# KiCad board VLT.kicad_pcb (continued)
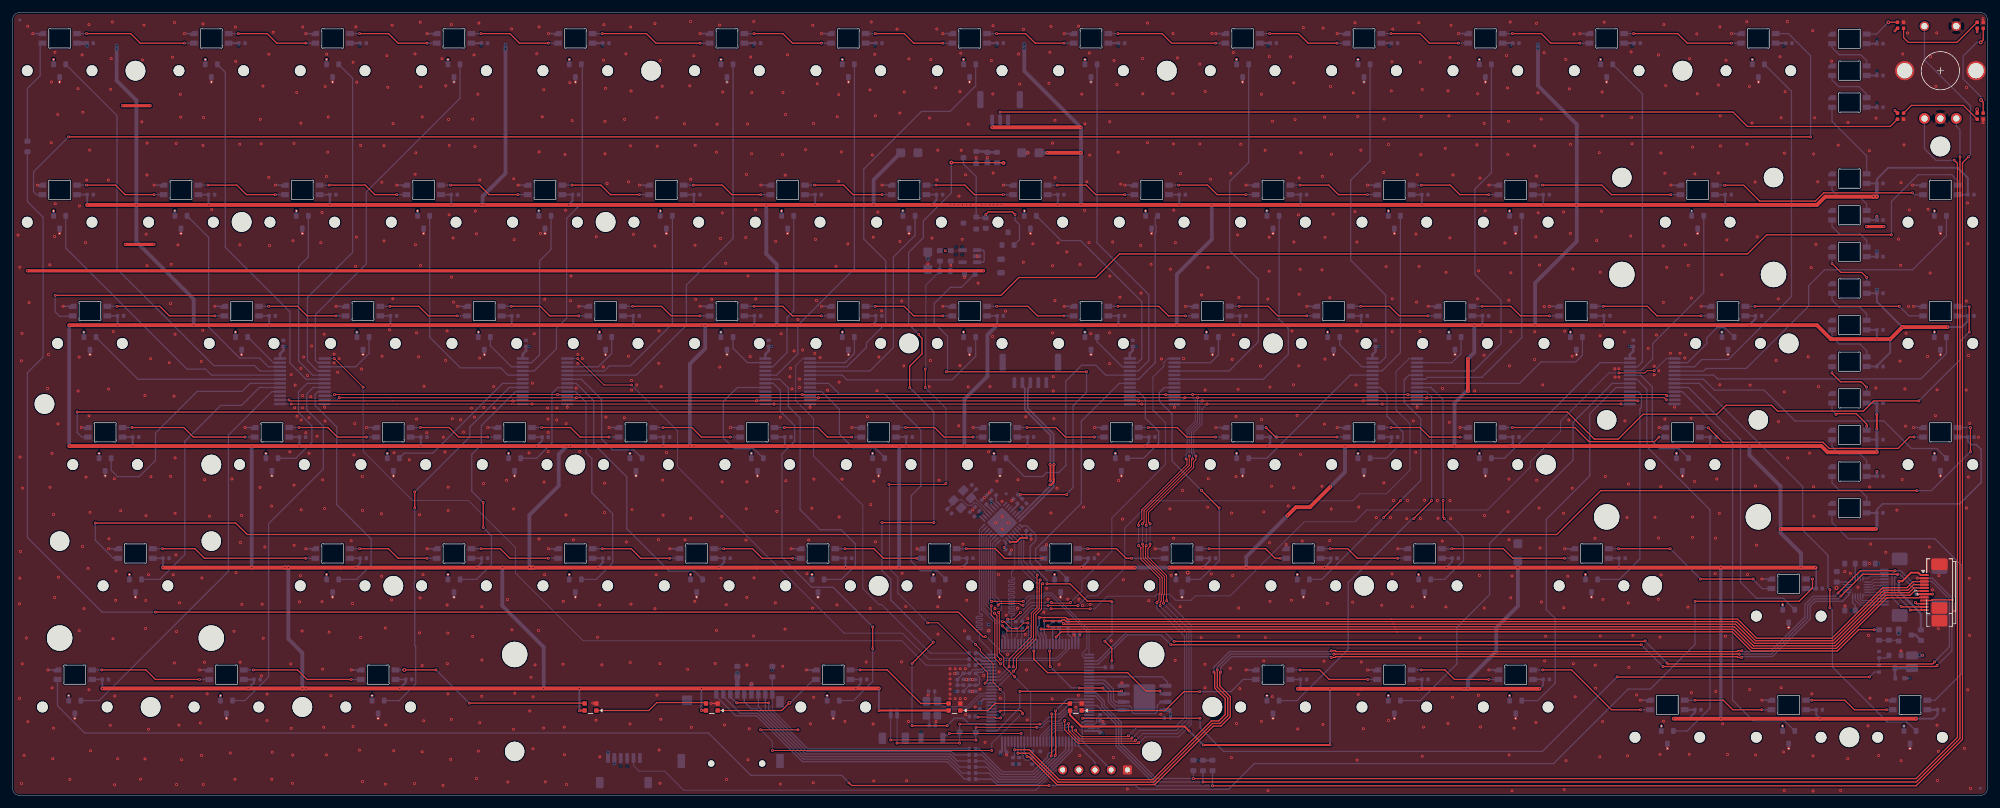
[diagram p0: board, top side]
## Placement (name value [footprint] x y rotation side) (continued)
U5  USB3300-EZK  [QFN-32-1EP_5x5mm_P0.5mm_EP3.45x3.45mm]  155.33 42.84 225 bottom
U6  W25Q32JVZP  [WSON-8-1EP_6x5mm_P1.27mm_EP3.4x4.3mm]  177.69 15.31 0 bottom
U7  ~  [XUNPU_FPC-05F-12PH20_1x12-1MP_P0.5mm]  301.21 31.86 90 top
Y1  24MHz  [Crystal_SMD_3225-4Pin_3.2x2.5mm]  149.06 46.54 45 bottom
Y2  25MHz  [Crystal_SMD_3225-4Pin_3.2x2.5mm]  144.31 13.69 90 bottom

## Library data of the parts
AMB1-AMB10 GLO1-GLO3 LED1-LED81 = -: Description: Reverse mount adressable LED (WS2812 protocol); LCSC: C5149201
C1-C3 C6-C12 C15-C17 C27-C29 C31 C32 = -: Description: Unpolarized capacitor, small symbol; LCSC: C14663; ki_fp_filters: C_*
C4 C5 C18 C21 C22 = -: Description: Unpolarized capacitor, small symbol; ki_fp_filters: C_*
C13 C14 = -: Description: Unpolarized capacitor, small symbol; LCSC: C19702; ki_fp_filters: C_*
C19 C20 C33-C36 = -: Description: Unpolarized capacitor, small symbol; Manufacturer Part: CL05B104KO5NNNC; Manufacturer: SAMSUNG(三星); Supplier Part: C1525; Supplier: LCSC; LCSC Part Name: 100nF ±10% 16V; LCSC: C1525; ki_fp_filters: C_*
C23 C23#2 C24 C30 = -: Description: Polarized capacitor, small symbol; ki_fp_filters: CP_*
C25 C26 = -: Description: Unpolarized capacitor, small symbol; LCSC: C23733; ki_fp_filters: C_*
CA1-CA10 CG1-CG3 CL1-CL81 MC1-MC6 = -: Description: Unpolarized capacitor, small symbol; LCSC: C1525; ki_fp_filters: C_*
D1 = -: Datasheet: https://www.diodes.com/assets/Datasheets/ds30396.pdf; Description: 75V 0.15A Fast switching Diode, SOD-523; Sim.Device: D; Sim.Pins: 1=K 2=A; ki_fp_filters: D*SOD?523*
ENC1 = -: Description: Rotary encoder, dual channel, incremental quadrate outputs, with switch and MP Pin; ki_fp_filters: RotaryEncoder*Switch*
ERM1 = -: Description: DC Motor; ki_fp_filters: PinHeader*P2.54mm* TerminalBlock*
FB1 = -: Description: Ferrite bead, small symbol; LCSC: C1002; ki_fp_filters: Inductor_* L_* *Ferrite*
FB2 FB3 = -: Description: Ferrite bead, small symbol; ki_fp_filters: Inductor_* L_* *Ferrite*
FID1-FID3 = -: Description: Fiducial Marker; ki_fp_filters: Fiducial*
HE1-HE81 = -: Datasheet: https://wmsc.lcsc.com/wmsc/upload/file/pdf/v2/lcsc/2310271810_Hallwee-HAL9303SO_C19089525.pdf; Description: Hall effect switch, bipolar, -+1000Gs, 4.7mV/Gs, -40C to +150C, SOT-23; LCSC: C7420984; ki_fp_filters: SOT?23*
J1 = -: Description: 8 pin, 0.5mm pitch FPC connector; ki_fp_filters: Connector*:*_1x??_*
J2 = -: Description: SWD 5P; Specifications: HEADER 1x4 MALE PINS 2.54mm” 180deg; Manufacturer: TAD; Part Number: 1-0401FBV0T; ki_fp_filters: Connector*:*_1x??_*
J3 = -: Description: Generic connectable mounting pin connector, single row, 01x12, script generated (kicad-library-utils/schlib/autogen/connector/); ki_fp_filters: Connector*:*_1x??-1MP*
J4 = -: Description: Generic connectable mounting pin connector, single row, 01x03, script generated (kicad-library-utils/schlib/autogen/connector/); ki_fp_filters: Connector*:*_1x??-1MP*
J5 = -: Description: Generic connectable mounting pin connector, single row, 01x06, script generated (kicad-library-utils/schlib/autogen/connector/); ki_fp_filters: Connector*:*_1x??-1MP*
J6 = -: Description: Generic connectable mounting pin connector, single row, 01x02, script generated (kicad-library-utils/schlib/autogen/connector/); ki_fp_filters: Connector*:*_1x??-1MP*
J7 = -: Description: Generic connectable mounting pin connector, single row, 01x06, script generated (kicad-library-utils/schlib/autogen/connector/); Specifications: HEADER 1x4 MALE PINS 2.54mm” 180deg; Manufacturer: TAD; Part Number: 1-0401FBV0T; ki_fp_filters: Connector*:*_1x??-1MP*
JST1 = -: Description: Generic connectable mounting pin connector, single row, 01x05, script generated (kicad-library-utils/schlib/autogen/connector/); ki_fp_filters: Connector*:*_1x??-1MP*
LED75L1 LED75L2 LED75R1 LED75R2 = -: Datasheet: https://www.world-semi.com/DownLoadFile/139; Description: 2020 SMD adressable RGB LED with integrated controller; ki_fp_filters: LED*SK6812MINI*PLCC*3.5x3.5mm*P1.75mm*
M1-M6 = -: Datasheet: http://www.ti.com/lit/ds/symlink/cd74hc4067.pdf; Description: High-Speed CMOS Logic 16-Channel Analog Multiplexer/Demultiplexer, SSOP-24; ki_fp_filters: SSOP*5.3x8.2mm*P0.65mm*
Q1 Q3 Q5 = -: Datasheet: http://www.aosmd.com/pdfs/datasheet/AO3401A.pdf; Description: -4.0A Id, -30V Vds, P-Channel MOSFET, SOT-23; ki_fp_filters: SOT?23*
Q2 Q4 = -: Datasheet: https://www.onsemi.com/pub/Collateral/BSS138-D.PDF; Description: 50V Vds, 0.22A Id, N-Channel MOSFET, SOT-23; ki_fp_filters: SOT?23*
R1 R2 R4-R8 R10-R13 R15 R22-R24 R30-R35 = -: Description: Resistor, small symbol; ki_fp_filters: R_*
R3 R16-R21 = -: Description: Resistor, small symbol; LCSC: C25076; ki_fp_filters: R_*
R9 = -: Description: Resistor, small symbol; LCSC: C22859; ki_fp_filters: R_*
R14 = -: Description: Resistor, small symbol; LCSC: C25744; ki_fp_filters: R_*
R25 = -: Description: Resistor, small symbol; LCSC: C11702; ki_fp_filters: R_*
R26-R29 = -: Description: Resistor, small symbol; LCSC: C25804; ki_fp_filters: R_*
RING1-RING4 = -: Datasheet: https://cdn-shop.adafruit.com/product-files/3484/3484_Datasheet.pdf; Description: RGB LED with integrated controller
S1 = -: Description: Tactile Switch SPST-NO Top Actuated Surface Mount; MF: Omron; DESCRIPTION: Tactile Switch SPST-NO Top Actuated Surface Mount; PACKAGE: None; PRICE: None; Package: Custom Package Omron; Check_prices: https://www.snapeda.com/parts/B3U-1000P/Omron/view-part/?ref=eda; Price: None; SnapEDA_Link: https://www.snapeda.com/parts/B3U-1000P/Omron/view-part/?ref=snap; MP: B3U-1000P; Availability: In Stock; AVAILABILITY: Unavailable; Description_1: SWITCH;TACTILE,TOP ACTUATED,TACTILE & JOG SWITCHES W/O BOSS W/O GROUND | Omron Electronic Components B3U-1000P
S28 S57 S59 S75 = -: Description: Cherry MX-style stabilizer
SD1 = -: Datasheet: https://www.sameskydevices.com/product/resource/msd-1-a.pdf; Description: Micro SD Card Connector, 9 Positions, Connector and Ejector, Push In, Auto Eject Out, Surface Mount, 1.8 mm Height Above Board, Gold Flash; Height: 2; Manufacturer_Name: Same Sky; Mouser Part Number: 179-MSD-1-A; Mouser Price/Stock: https://www.mouser.co.uk/ProductDetail/Same-Sky/MSD-1-A?qs=Z%252BL2brAPG1Ip18XLC4tUPQ%3D%3D; Arrow Price/Stock: https://www.arrow.com/en/products/msd-1-a/cui-devices?utm_currency=USD&region=nac
TH1 = -: Description: Temperature dependent resistor, negative temperature coefficient; ki_fp_filters: *NTC* *Thermistor* PIN?ARRAY* bornier* *Terminal?Block* R_*
TP1-TP5 = -: Description: test point; ki_fp_filters: Pin* Test*
U1 = -: Datasheet: https://www.diodes.com/assets/Datasheets/AP2112.pdf; Description: 600mA low dropout linear regulator, with enable pin, 3.8V-6V input voltage range, 3.3V fixed positive output, SOT-23-5; LCSC: C23380830; ki_fp_filters: SOT?23?5*
U2 = -: Datasheet: https://www.winbond.com/resource-files/w25q128jv_dtr%20revc%2003272018%20plus.pdf; Description: 128Mbit / 16MiB Serial Flash Memory, Standard/Dual/Quad SPI, 2.7-3.6V, SOIC-8; LCSC: C97521; ki_fp_filters: *SOIC*5.3x5.3mm*P1.27mm*
U3 = -: Datasheet: https://www.st.com/resource/en/datasheet/stm32h723vg.pdf; Description: STMicroelectronics Arm Cortex-M7 MCU, 1024KB flash, 564KB RAM, 550 MHz, 1.71-3.6V, 82 GPIO, LQFP100; ki_fp_filters: LQFP*14x14mm*P0.5mm*
U4 = -: Datasheet: https://resurgentsemi.com/wp-content/uploads/2018/09/MPR121_rev5-Resurgent.pdf?d453f8&d453f8; Description: 12ch Touch Sensor controller, UQFN-20; ki_fp_filters: UQFN*3x3mm*P0.4mm*
U5 = -: Datasheet: http://ww1.microchip.com/downloads/en/DeviceDoc/00001783C.pdf; Description: Hi-Speed USB Host, Device or OTG PHY with ULPI Interface; ki_fp_filters: *QFN*32*1EP*5x5mm*P0.5mm*
U6 = -: Datasheet: http://www.winbond.com/resource-files/w25q32jv%20revg%2003272018%20plus.pdf; Description: 32Mbit / 4MiB Serial Flash Memory, Standard/Dual/Quad SPI, 2.7-3.6V, WSON-8; ki_fp_filters: WSON*1EP*6x5mm*P1.27mm*
Y1 Y2 = -: Description: Four pin crystal, GND on pins 2 and 4, small symbol; ki_fp_filters: Crystal*

## Footprints (pads in the part's own frame, mm; a bottom-side part is the same pattern mirrored in y, then rotated)
C_0402
  rrect 0.56x0.62 smd: 1(-0.48,0) 2(0.48,0)
C_0603
  rrect 0.8x0.95 smd: 1(-0.825,0) 2(0.825,0)
Coin_Motor_ERM_10mm
  rrect 1.27x1.905 smd: 1(1,-6.5) 2(-1,-6.5)
CP_EIA-3216-12_Kemet-S
  rrect 1.415x1.39 smd: 1(-1.353,0) 2(1.353,0)
Crystal_SMD_3225-4Pin_3.2x2.5mm
  rrect 1.4x1.2 smd: 1(-1.1,-0.85) 2(1.1,-0.85) 3(1.1,0.85) 4(-1.1,0.85)
D_SOD-523
  rrect 0.6x0.7 smd: 1(-0.7,0) 2(0.7,0)
Ferrite_0402
  rrect 0.59x0.64 smd: 1(-0.485,0) 2(0.485,0)
Ferrite_0805
  rrect 0.875x1.2 smd: 1(-1.062,0) 2(1.062,0)
Fiducial_0.5mm_Mask1mm
  round 0.5 smd: (0,0)
JST_GH_SM03B-GHS-TB_1x03-1MP_P1.25mm_Horizontal
  rrect 0.6x1.7 smd: 1(-1.25,1.85) 2(0,1.85) 3(1.25,1.85)
  rrect 1x2.7 smd: MP(-3.1,-1.35) MP(3.1,-1.35)
JST_GH_SM05B-GHS-TB_1x05-1MP_P1.25mm_Horizontal
  rrect 0.6x1.7 smd: 1(-2.5,1.85) 2(-1.25,1.85) 3(0,1.85) 4(1.25,1.85) 5(2.5,1.85)
  rrect 1x2.7 smd: MP(-4.35,-1.35) MP(4.35,-1.35)
JST_SH_SM02B-SRSS-TB_1x02-1MP_P1.00mm_Horizontal
  rrect 0.6x1.55 smd: 1(-0.5,2) 2(0.5,2)
  rrect 1.2x1.8 smd: MP(-1.8,-1.875) MP(1.8,-1.875)
JST_SH_SM06B-SRSS-TB_1x06-1MP_P1.00mm_Horizontal
  rrect 0.6x1.55 smd: 1(-2.5,2) 2(-1.5,2) 3(-0.5,2) 4(0.5,2) 5(1.5,2) 6(2.5,2)
  rrect 1.2x1.8 smd: MP(-3.8,-1.875) MP(3.8,-1.875)
LED_6028R
  rrect 1.2x0.82 smd: 1(2.725,0.75) 2(2.725,-0.75) 3(-2.725,0.75) 4(-2.725,-0.75)
LED_WS2812_2020
  rrect 0.7x0.7 smd: 1(-0.915,0.55) 2(-0.915,-0.55) 3(0.915,-0.55) 4(0.915,0.55)
LQFP-100_14x14mm_P0.5mm
  rrect 1.6x0.3 smd: 1(-7.675,6) 2(-7.675,5.5) 3(-7.675,5) 4(-7.675,4.5) 5(-7.675,4) 6(-7.675,3.5) 7(-7.675,3) 8(-7.675,2.5) 9(-7.675,2) 10(-7.675,1.5) 11(-7.675,1) 12(-7.675,0.5) 13(-7.675,0) 14(-7.675,-0.5) 15(-7.675,-1) 16(-7.675,-1.5) 17(-7.675,-2) 18(-7.675,-2.5) 19(-7.675,-3) 20(-7.675,-3.5) 21(-7.675,-4) 22(-7.675,-4.5) 23(-7.675,-5) 24(-7.675,-5.5) 25(-7.675,-6) 51(7.675,-6) 52(7.675,-5.5) 53(7.675,-5) 54(7.675,-4.5) 55(7.675,-4) 56(7.675,-3.5) 57(7.675,-3) 58(7.675,-2.5) 59(7.675,-2) 60(7.675,-1.5) 61(7.675,-1) 62(7.675,-0.5) 63(7.675,0) 64(7.675,0.5) 65(7.675,1) 66(7.675,1.5) 67(7.675,2) 68(7.675,2.5) 69(7.675,3) 70(7.675,3.5) 71(7.675,4) 72(7.675,4.5) 73(7.675,5) 74(7.675,5.5) 75(7.675,6)
  rrect 0.3x1.6 smd: 26(-6,-7.675) 27(-5.5,-7.675) 28(-5,-7.675) 29(-4.5,-7.675) 30(-4,-7.675) 31(-3.5,-7.675) 32(-3,-7.675) 33(-2.5,-7.675) 34(-2,-7.675) 35(-1.5,-7.675) 36(-1,-7.675) 37(-0.5,-7.675) 38(0,-7.675) 39(0.5,-7.675) 40(1,-7.675) 41(1.5,-7.675) 42(2,-7.675) 43(2.5,-7.675) 44(3,-7.675) 45(3.5,-7.675) 46(4,-7.675) 47(4.5,-7.675) 48(5,-7.675) 49(5.5,-7.675) 50(6,-7.675) 76(6,7.675) 77(5.5,7.675) 78(5,7.675) 79(4.5,7.675) 80(4,7.675) 81(3.5,7.675) 82(3,7.675) 83(2.5,7.675) 84(2,7.675) 85(1.5,7.675) 86(1,7.675) 87(0.5,7.675) 88(0,7.675) 89(-0.5,7.675) 90(-1,7.675) 91(-1.5,7.675) 92(-2,7.675) 93(-2.5,7.675) 94(-3,7.675) 95(-3.5,7.675) 96(-4,7.675) 97(-4.5,7.675) 98(-5,7.675) 99(-5.5,7.675) 100(-6,7.675)
MountingHole_3.1mm
  round 3.1 hole 3.1 unplated: (0,0)
MSD1A
  round 1 hole 1 unplated: (-4.95,-3.9) (3.05,-3.9)
  rrect 0.7x1.6 smd: 1(2.25,7.1) 2(1.15,7.1) 3(0.05,7.1) 4(-1.05,7.1) 5(-2.15,7.1) 6(-3.25,7.1) 7(-4.35,7.1) 8(-5.45,7.1) CD1(-6.55,7.1)
  rrect 1.6x1.5 smd: 9(6.85,6.05)
  rrect 1.2x1.8 smd: 10(-7.75,5.8)
  rrect 1.2x2.2 smd: 11(7.75,-3.5) 12(-7.75,-3.5)
QFN-32-1EP_5x5mm_P0.5mm_EP3.45x3.45mm
  rrect 0.93x0.93 smd: (-1.15,-1.15) (-1.15,0) (-1.15,1.15) (0,-1.15) (0,0) (0,1.15) (1.15,-1.15) (1.15,0) (1.15,1.15)
  rrect 0.875x0.25 smd: 1(-2.438,1.75) 2(-2.438,1.25) 3(-2.438,0.75) 4(-2.438,0.25) 5(-2.438,-0.25) 6(-2.438,-0.75) 7(-2.438,-1.25) 8(-2.438,-1.75) 17(2.438,-1.75) 18(2.438,-1.25) 19(2.438,-0.75) 20(2.438,-0.25) 21(2.438,0.25) 22(2.438,0.75) 23(2.438,1.25) 24(2.438,1.75)
  rrect 0.25x0.875 smd: 9(-1.75,-2.438) 10(-1.25,-2.438) 11(-0.75,-2.438) 12(-0.25,-2.438) 13(0.25,-2.438) 14(0.75,-2.438) 15(1.25,-2.438) 16(1.75,-2.438) 25(1.75,2.438) 26(1.25,2.438) 27(0.75,2.438) 28(0.25,2.438) 29(-0.25,2.438) 30(-0.75,2.438) 31(-1.25,2.438) 32(-1.75,2.438)
  rrect 3.45x3.45 smd: 33(0,0)
R_0402
  rrect 0.54x0.64 smd: 1(-0.51,0) 2(0.51,0)
R_0603
  rrect 0.8x0.95 smd: 1(-0.825,0) 2(0.825,0)
RotaryEncoder_Alps_EC11E_Vertical_H20mm_CircularMountingHoles
  round 1.7 hole 1: A(2.5,7.5) B(-2.5,7.5) C(0,7.5)
  round 3.2 hole 2.4: MP(-5.6,0) MP(5.6,0)
  round 1.5 hole 1: S1(-2.5,-7) S2(2.5,-7)
sk68015-1515
  rrect 0.55x0.55 smd: 1(-0.475,-0.475) 2(0.475,-0.475) 3(0.475,0.475) 4(-0.475,0.475)
SOIC-8_5.3x5.3mm_P1.27mm
  rrect 1.3x0.65 smd: 1(-3.587,1.905) 2(-3.587,0.635) 3(-3.587,-0.635) 4(-3.587,-1.905) 5(3.587,-1.905) 6(3.587,-0.635) 7(3.587,0.635) 8(3.587,1.905)
SOT-23
  rrect 0.9x0.8 smd: 1(-1,0.95) 2(-1,-0.95) 3(1,0)
SOT-23-5
  rrect 1.325x0.6 smd: 1(-1.137,0.95) 2(-1.137,0) 3(-1.137,-0.95) 4(1.137,-0.95) 5(1.137,0.95)
SSOP-24_5.3x8.2mm_P0.65mm
  rrect 1.9x0.4 smd: 1(-3.5,3.575) 2(-3.5,2.925) 3(-3.5,2.275) 4(-3.5,1.625) 5(-3.5,0.975) 6(-3.5,0.325) 7(-3.5,-0.325) 8(-3.5,-0.975) 9(-3.5,-1.625) 10(-3.5,-2.275) 11(-3.5,-2.925) 12(-3.5,-3.575) 13(3.5,-3.575) 14(3.5,-2.925) 15(3.5,-2.275) 16(3.5,-1.625) 17(3.5,-0.975) 18(3.5,-0.325) 19(3.5,0.325) 20(3.5,0.975) 21(3.5,1.625) 22(3.5,2.275) 23(3.5,2.925) 24(3.5,3.575)
STAB_MX_2.25u
  round 3.048 hole 3.048 unplated: (-11.906,6.985) (11.906,6.985)
  round 3.988 hole 3.988 unplated: (-11.906,-8.255) (11.906,-8.255)
STAB_MX_2u
  round 3.048 hole 3.048 unplated: (-11.906,6.985) (11.906,6.985)
  round 3.988 hole 3.988 unplated: (-11.906,-8.255) (11.906,-8.255)
STAB_MX_6.25u
  round 3.048 hole 3.048 unplated: (-50.006,6.985) (50.006,6.985)
  round 3.988 hole 3.988 unplated: (-50.006,-8.255) (50.006,-8.255)
SW_B3U-1000P
  rrect 0.8x1.7 smd: 1(-1.7,0) 2(1.7,0)
SW_MX_HE_90deg_1.5u_4layer
  round 1.7 hole 1.7 unplated: (-5.08,0) (5.08,0)
  round 0.45 hole 0.2: 1(-0.95,-1.778) 3(0,1.778)
  rrect 0.75x0.95 smd: 1(-0.95,-1) 2(0.95,-1) 3(0,1)
SW_MX_HE_90deg_1.25u_4layer
  round 1.7 hole 1.7 unplated: (-5.08,0) (5.08,0)
  round 0.45 hole 0.2: 1(-0.95,-1.778) 3(0,1.778)
  rrect 0.75x0.95 smd: 1(-0.95,-1) 2(0.95,-1) 3(0,1)
SW_MX_HE_90deg_1.75u_4layer
  round 1.7 hole 1.7 unplated: (-5.08,0) (5.08,0)
  rrect 0.75x0.95 smd: 1(0.95,1) 2(-0.95,1) 3(0,-1)
  round 0.45 hole 0.2: 1(0.95,1.778) 3(0,-1.778)
SW_MX_HE_90deg_1.75u_4layer#2
  round 1.7 hole 1.7 unplated: (-5.08,0) (5.08,0)
  round 0.45 hole 0.2: 1(-0.95,-1.778) 3(0,1.778)
  rrect 0.75x0.95 smd: 1(-0.95,-1) 2(0.95,-1) 3(0,1)
SW_MX_HE_90deg_1u_4layer
  round 1.7 hole 1.7 unplated: (-5.08,0) (5.08,0)
  round 0.45 hole 0.2: 1(-0.95,-1.778) 3(0,1.778)
  rrect 0.75x0.95 smd: 1(-0.95,-1) 2(0.95,-1) 3(0,1)
SW_MX_HE_90deg_2.00u_4layer
  round 1.7 hole 1.7 unplated: (-5.08,0) (5.08,0)
  round 0.45 hole 0.2: 1(-0.95,-1.778) 3(0,1.778)
  rrect 0.75x0.95 smd: 1(-0.95,-1) 2(0.95,-1) 3(0,1)
SW_MX_HE_90deg_2.25u_4layer
  round 1.7 hole 1.7 unplated: (-5.08,0) (5.08,0)
  round 0.45 hole 0.2: 1(-0.95,-1.778) 3(0,1.778)
  rrect 0.75x0.95 smd: 1(-0.95,-1) 2(0.95,-1) 3(0,1)
SW_MX_HE_90deg_6.25u_4layer
  round 1.7 hole 1.7 unplated: (-5.08,0) (5.08,0)
  round 0.45 hole 0.2: 1(-0.95,-1.778) 3(0,1.778)
  rrect 0.75x0.95 smd: 1(-0.95,-1) 2(0.95,-1) 3(0,1)
SWD_Debug_PinHeader_1x05_P2.54mm
  rrect 1.4x1.4 hole 0.8: 1(0,5.08)
  round 1.4 hole 0.8: 2(0,2.54) 3(0,0) 4(0,-2.54) 5(0,-5.08)
TestPoint_Pad_D1.0mm_Minimal
  round 1 smd: 1(0,0)
TestPoint_Pad_D1.0mm_Minimal#2
  round 0.8 smd: 1(0,0)
TestPoint_Pad_D1.0mm_Minimal#3
  round 0.65 smd: 1(0,0)
UQFN-20_3x3mm_P0.4mm
  custom 0.925x0.2 smd: 1(-1.387,0.8) 5(-1.387,-0.8) 11(1.387,-0.8) 15(1.387,0.8)
  rrect 0.925x0.2 smd: 2(-1.387,0.4) 3(-1.387,0) 4(-1.387,-0.4) 12(1.387,-0.4) 13(1.387,0) 14(1.387,0.4)
  custom 0.2x0.925 smd: 6(-0.8,-1.387) 10(0.8,-1.387) 16(0.8,1.387) 20(-0.8,1.387)
  rrect 0.2x0.925 smd: 7(-0.4,-1.387) 8(0,-1.387) 9(0.4,-1.387) 17(0.4,1.387) 18(0,1.387) 19(-0.4,1.387)
WSON-8-1EP_6x5mm_P1.27mm_EP3.4x4.3mm
  rrect 1.37x1.73 smd: (-0.85,-1.075) (-0.85,1.075) (0.85,-1.075) (0.85,1.075)
  rrect 0.75x0.5 smd: 1(-2.7,1.905) 2(-2.7,0.635) 3(-2.7,-0.635) 4(-2.7,-1.905) 5(2.7,-1.905) 6(2.7,-0.635) 7(2.7,0.635) 8(2.7,1.905)
  rrect 3.4x4.3 smd: 9(0,0)
XUNPU_FPC-05F-6PH20_1x6-1MP_P0.5mm
  rrect 0.3x1.35 smd: 1(-1.25,1.088) 2(-0.75,1.088) 3(-0.25,1.088) 4(0.25,1.088) 5(0.75,1.088) 6(1.25,1.088)
  rrect 2x2.5 smd: MP(-2.94,-1.287) MP(2.94,-1.287)
XUNPU_FPC-05F-8PH20_1x8-1MP_P0.5mm
  rrect 0.3x1.35 smd: 1(1.75,1.088) 2(1.25,1.088) 3(0.75,1.088) 4(0.25,1.088) 5(-0.25,1.088) 6(-0.75,1.088) 7(-1.25,1.088) 8(-1.75,1.088)
  rrect 1.8x2.5 smd: MP(-3.44,-1.287) MP(3.44,-1.287)
XUNPU_FPC-05F-12PH20_1x12-1MP_P0.5mm
  rrect 0.3x1.35 smd: 1(2.75,1.088) 2(2.25,1.088) 3(1.75,1.088) 4(1.25,1.088) 5(0.75,1.088) 6(0.25,1.088) 7(-0.25,1.088) 8(-0.75,1.088) 9(-1.25,1.088) 10(-1.75,1.088) 11(-2.25,1.088) 12(-2.75,1.088)
  rrect 1.8x2.5 smd: MP(-4.44,-1.287) MP(4.44,-1.287)
XUNPU_FPC-05F-12PH20_1x12-1MP_P0.5mm#2
  rrect 0.3x1.35 smd: 1(-2.75,1.088) 2(-2.25,1.088) 3(-1.75,1.088) 4(-1.25,1.088) 5(-0.75,1.088) 6(-0.25,1.088) 7(0.25,1.088) 8(0.75,1.088) 9(1.25,1.088) 10(1.75,1.088) 11(2.25,1.088) 12(2.75,1.088)
  rrect 2x2.5 smd: MP(-4.44,-1.287) MP(4.44,-1.287)

## Nets
+1V8_USB: C2.1 C31.1 U5.15 U5.26
+1V8A_USB: C1.1 U5.29
+3V3: C6.1 C7.1 C8.1 C9.1 C10.1 C11.1 C12.1 C14.1 C15.1 C17.1 C22.1 C28.1 C29.1 C30.1 C32.1 D1.1 ERM1.1 FB3.2 HE1.1 HE2.1 HE3.1 HE4.1 HE5.1 HE6.1 HE7.1 HE8.1 HE9.1 HE10.1 HE11.1 HE12.1 HE13.1 HE14.1 HE15.1 HE16.1 HE17.1 HE18.1 HE19.1 HE20.1 HE21.1 HE22.1 HE23.1 HE24.1 HE25.1 HE26.1 HE27.1 HE28.1 HE29.1 HE30.1 HE31.1 HE32.1 HE33.1 HE34.1 HE35.1 HE36.1 HE37.1 HE38.1 HE39.1 HE40.1 HE41.1 HE42.1 HE43.1 HE44.1 HE45.1 HE46.1 HE47.1 HE48.1 HE49.1 HE50.1 HE51.1 HE52.1 HE53.1 HE54.1 HE55.1 HE56.1 HE57.1 HE58.1 HE59.1 HE60.1 HE61.1 HE62.1 HE63.1 HE64.1 HE65.1 HE66.1 HE67.1 HE68.1 HE69.1 HE70.1 HE71.1 HE72.1 HE73.1 HE74.1 HE75.1 HE76.1 HE77.1 HE78.1 HE79.1 HE80.1 HE81.1 J1.7 J2.4 J5.6 J7.5 M1.24 M2.24 M3.24 M4.24 M5.24 M6.24 MC1.2 MC2.2 MC3.2 MC4.2 MC5.2 MC6.2 Q3.2 R12.2 R23.2 R24.2 R26.1 R27.1 R28.1 R29.1 S1.1 SD1.4 U1.5 U2.8 U3.6 U3.11 U3.27 U3.50 U3.75 U3.100 U4.20 U5.6 U5.16 U5.25 U5.30 U5.31 U6.8 U7.7
+3V3A: C19.2 C20.2 C36.2 FB2.1 FB3.1 U3.21
+5V: C3.1 C13.1 FB1.2 J7.6 Q1.2 Q5.2 R1.1 R4.2 U1.1 U1.3
+5V_LED: AMB1.1 AMB2.1 AMB3.1 AMB4.1 AMB5.1 AMB6.1 AMB7.1 AMB8.1 AMB9.1 AMB10.1 C23.1 C23#2.1 C24.1 CA1.1 CA2.1 CA3.1 CA4.1 CA5.1 CA6.1 CA7.1 CA8.1 CA9.1 CA10.1 CG1.1 CG2.1 CG3.1 CL1.1 CL2.1 CL3.1 CL4.1 CL5.1 CL6.1 CL7.1 CL8.1 CL9.1 CL10.1 CL11.1 CL12.1 CL13.1 CL14.1 CL15.1 CL16.1 CL17.1 CL18.1 CL19.1 CL20.1 CL21.1 CL22.1 CL23.1 CL24.1 CL25.1 CL26.1 CL27.1 CL28.1 CL29.1 CL30.1 CL31.1 CL32.1 CL33.1 CL34.1 CL35.1 CL36.1 CL37.1 CL38.1 CL39.1 CL40.1 CL41.1 CL42.1 CL43.1 CL44.1 CL45.1 CL46.1 CL47.1 CL48.1 CL49.1 CL50.1 CL51.1 CL52.1 CL53.1 CL54.1 CL55.1 CL56.1 CL57.1 CL58.1 CL59.1 CL60.1 CL61.1 CL62.1 CL63.1 CL64.1 CL65.1 CL66.1 CL67.1 CL68.1 CL69.1 CL70.1 CL71.1 CL72.1 CL73.1 CL74.1 CL75.1 CL76.1 CL77.1 CL78.1 CL79.1 CL80.1 CL81.1 GLO1.1 GLO2.1 GLO3.1 J4.1 LED1.1 LED2.1 LED3.1 LED4.1 LED5.1 LED6.1 LED7.1 LED8.1 LED9.1 LED10.1 LED11.1 LED12.1 LED13.1 LED14.1 LED15.1 LED16.1 LED17.1 LED18.1 LED19.1 LED20.1 LED21.1 LED22.1 LED23.1 LED24.1 LED25.1 LED26.1 LED27.1 LED28.1 LED29.1 LED30.1 LED31.1 LED32.1 LED33.1 LED34.1 LED35.1 LED36.1 LED37.1 LED38.1 LED39.1 LED40.1 LED41.1 LED42.1 LED43.1 LED44.1 LED45.1 LED46.1 LED47.1 LED48.1 LED49.1 LED50.1 LED51.1 LED52.1 LED53.1 LED54.1 LED55.1 LED56.1 LED57.1 LED58.1 LED59.1 LED60.1 LED61.1 LED62.1 LED63.1 LED64.1 LED65.1 LED66.1 LED67.1 LED68.1 LED69.1 LED70.1 LED71.1 LED72.1 LED73.1 LED74.1 LED75.1 LED75L1.4 LED75L2.4 LED75R1.4 LED75R2.4 LED76.1 LED77.1 LED78.1 LED79.1 LED80.1 LED81.1 Q1.3 Q5.3 RING1.4 RING2.4 RING3.4 RING4.4
GND: AMB1.4 AMB2.4 AMB3.4 AMB4.4 AMB5.4 AMB6.4 AMB7.4 AMB8.4 AMB9.4 AMB10.4 C1.2 C2.2 C3.2 C4.1 C5.1 C6.2 C7.2 C8.2 C9.2 C10.2 C11.2 C12.2 C13.2 C14.2 C15.2 C16.2 C17.2 C18.1 C19.1 C20.1 C21.1 C22.2 C23.2 C23#2.2 C24.2 C25.2 C26.2 C27.1 C28.2 C29.2 C30.2 C31.2 C32.2 C33.1 C34.1 C35.1 C36.1 CA1.2 CA2.2 CA3.2 CA4.2 CA5.2 CA6.2 CA7.2 CA8.2 CA9.2 CA10.2 CG1.2 CG2.2 CG3.2 CL1.2 CL2.2 CL3.2 CL4.2 CL5.2 CL6.2 CL7.2 CL8.2 CL9.2 CL10.2 CL11.2 CL12.2 CL13.2 CL14.2 CL15.2 CL16.2 CL17.2 CL18.2 CL19.2 CL20.2 CL21.2 CL22.2 CL23.2 CL24.2 CL25.2 CL26.2 CL27.2 CL28.2 CL29.2 CL30.2 CL31.2 CL32.2 CL33.2 CL34.2 CL35.2 CL36.2 CL37.2 CL38.2 CL39.2 CL40.2 CL41.2 CL42.2 CL43.2 CL44.2 CL45.2 CL46.2 CL47.2 CL48.2 CL49.2 CL50.2 CL51.2 CL52.2 CL53.2 CL54.2 CL55.2 CL56.2 CL57.2 CL58.2 CL59.2 CL60.2 CL61.2 CL62.2 CL63.2 CL64.2 CL65.2 CL66.2 CL67.2 CL68.2 CL69.2 CL70.2 CL71.2 CL72.2 CL73.2 CL74.2 CL75.2 CL76.2 CL77.2 CL78.2 CL79.2 CL80.2 CL81.2 ENC1.C ENC1.MP ENC1.S1 GLO1.4 GLO2.4 GLO3.4 HE1.3 HE2.3 HE3.3 HE4.3 HE5.3 HE6.3 HE7.3 HE8.3 HE9.3 HE10.3 HE11.3 HE12.3 HE13.3 HE14.3 HE15.3 HE16.3 HE17.3 HE18.3 HE19.3 HE20.3 HE21.3 HE22.3 HE23.3 HE24.3 HE25.3 HE26.3 HE27.3 HE28.3 HE29.3 HE30.3 HE31.3 HE32.3 HE33.3 HE34.3 HE35.3 HE36.3 HE37.3 HE38.3 HE39.3 HE40.3 HE41.3 HE42.3 HE43.3 HE44.3 HE45.3 HE46.3 HE47.3 HE48.3 HE49.3 HE50.3 HE51.3 HE52.3 HE53.3 HE54.3 HE55.3 HE56.3 HE57.3 HE58.3 HE59.3 HE60.3 HE61.3 HE62.3 HE63.3 HE64.3 HE65.3 HE66.3 HE67.3 HE68.3 HE69.3 HE70.3 HE71.3 HE72.3 HE73.3 HE74.3 HE75.3 HE76.3 HE77.3 HE78.3 HE79.3 HE80.3 HE81.3 J1.2 J1.MP J2.1 J3.MP J4.3 J4.MP J5.5 J5.MP J6.MP J7.1 J7.MP JST1.4 JST1.5 JST1.MP LED1.4 LED2.4 LED3.4 LED4.4 LED5.4 LED6.4 LED7.4 LED8.4 LED9.4 LED10.4 LED11.4 LED12.4 LED13.4 LED14.4 LED15.4 LED16.4 LED17.4 LED18.4 LED19.4 LED20.4 LED21.4 LED22.4 LED23.4 LED24.4 LED25.4 LED26.4 LED27.4 LED28.4 LED29.4 LED30.4 LED31.4 LED32.4 LED33.4 LED34.4 LED35.4 LED36.4 LED37.4 LED38.4 LED39.4 LED40.4 LED41.4 LED42.4 LED43.4 LED44.4 LED45.4 LED46.4 LED47.4 LED48.4 LED49.4 LED50.4 LED51.4 LED52.4 LED53.4 LED54.4 LED55.4 LED56.4 LED57.4 LED58.4 LED59.4 LED60.4 LED61.4 LED62.4 LED63.4 LED64.4 LED65.4 LED66.4 LED67.4 LED68.4 LED69.4 LED70.4 LED71.4 LED72.4 LED73.4 LED74.4 LED75.4 LED75L1.2 LED75L2.2 LED75R1.2 LED75R2.2 LED76.4 LED77.4 LED78.4 LED79.4 LED80.4 LED81.4 M1.12 M1.15 M2.2 M2.12 M2.15 M2.19 M3.6 M3.8 M3.12 M3.15 M3.16 M3.21 M4.3 M4.5 M4.7 M4.9 M4.12 M4.15 M4.17 M5.3 M5.12 M5.15 M5.16 M5.18 M5.19 M6.12 M6.15 MC1.1 MC2.1 MC3.1 MC4.1 MC5.1 MC6.1 Q2.2 Q4.2 R2.1 R7.1 R10.1 R13.1 R14.2 R22.2 RING1.2 RING2.2 RING3.2 RING4.2 SD1.6 SD1.9 SD1.10 SD1.11 SD1.12 TH1.2 TP5.1 U1.2 U2.4 U3.10 U3.19 U3.26 U3.49 U3.74 U3.99 U4.4 U4.6 U5.1 U5.2 U5.33 U6.4 U6.9 U7.2 U7.MP Y1.2 Y1.4 Y2.2 Y2.4
VBUS: FB1.1 JST1.1
/ADC1: R16.1 U3.22
/ADC2: R17.1 U3.23
/ADC3: R18.1 U3.24
/ADC4: R19.1 U3.28
/ADC5: R20.1 U3.30
/ADC6: R21.1 U3.32
/BL_DRAIN: Q3.3 R9.1
/BL_GATE: Q3.1 R11.2 R13.2
/BOOT: R2.2 S1.2 TP4.1 U3.94
/CTP_INT: J5.1 U3.54 U7.9
/CTP_RST: J5.2 U3.53 U7.10
/D+: JST1.3 U5.7
/D-: JST1.2 U5.8
/ELE0: J3.1 U4.8
/ELE1: J3.2 U4.9
/ELE2: J3.3 U4.10
/ELE3: J3.4 U4.11
/ELE4: J3.5 U4.12
/ELE5: J3.6 U4.13
/ELE6: J3.7 U4.14
/ELE7: J3.8 U4.15
/ELE8: J3.9 U4.16
/ELE9: J3.10 U4.17
/ELE10: J3.11 U4.18
/ELE11: J3.12 U4.19
/ERM_GATE: R25.2 U3.71
/HSE_IN: C18.2 U3.12 Y2.1
/HSE_OUT: C21.2 U3.13 Y2.3
/I2C1_SCL: J5.4 R24.1 U3.95 U4.2 U7.12
/I2C1_SDA: J5.3 R23.1 U3.96 U4.3 U7.11
/LED:N_DRAIN/P_GATE: Q1.1 Q2.3 Q5.1 R4.1
/LED:R>GATE: Q2.1 R5.2 R7.2
/leds/LED_330R: LED1.3 R15.2
/MPR_IRQ: U3.93 U4.1
/MTR-: D1.2 ERM1.2 Q4.3
/MUX_COM1: M1.1 R16.2
/MUX_COM2: M2.1 R17.2
/MUX_COM3: M3.1 R18.2
/MUX_COM4: M4.1 R19.2
/MUX_COM5: M5.1 R20.2
/MUX_COM6: M6.1 R21.2
/MUX_S0: M1.10 M2.10 M3.10 M4.10 M5.10 M6.10 U3.85
/MUX_S1: M1.11 M2.11 M3.11 M4.11 M5.11 M6.11 U3.86
/MUX_S2: M1.14 M2.14 M3.14 M4.14 M5.14 M6.14 U3.87
/MUX_S3: M1.13 M2.13 M3.13 M4.13 M5.13 M6.13 U3.88
/NRST: C27.2 J2.5 J7.2 TP3.1 U3.14
/NTC: R29.2 TH1.1 U3.16
/QSPI_CLK: U2.6 U3.36 U6.6
/QSPI_CS: U2.1 U3.41 U6.1
/QSPI_IO0: U2.5 U3.58 U6.5
/QSPI_IO1: U2.2 U3.59 U6.2
/QSPI_IO2: U2.3 U3.1 U6.3
/QSPI_IO3: U2.7 U3.60 U6.7
/R:E12: R6.1 U3.42
/R:E14: R8.1 U3.44
/RGB_GATE: R5.1 U3.3
/S.CLK: R32.2 SD1.5
/S.CMD: R31.2 SD1.3
/S.D0: R33.2 SD1.7
/S.D1: R34.1 SD1.8
/S.D2: R35.1 SD1.1
/S.D3: R30.2 SD1.2
/SD_CARD: R12.1 SD1.CD1 U3.7
/SD_CLK: R32.1 U3.80
/SD_CMD: R31.1 U3.83
/SD_D0: R33.1 U3.65
/SD_D1: R34.2 U3.66
/SD_D2: R35.2 U3.78
/SD_D3: R30.1 U3.79
/sensors/HE1_Esc: HE1.2 M1.21
/sensors/HE2_F1: HE2.2 M1.6
/sensors/HE3_F2: HE3.2 M1.4
/sensors/HE4_F3: HE4.2 M1.2
/sensors/HE5_F4: HE5.2 M2.21
/sensors/HE6_F5: HE6.2 M2.5
/sensors/HE7_F6: HE7.2 M3.20
/sensors/HE8_F7: HE8.2 M3.3
/sensors/HE9_F8: HE9.2 M4.21
/sensors/HE10_F9: HE10.2 M4.4
/sensors/HE11_F10: HE11.2 M5.23
/sensors/HE12_F11: HE12.2 M5.4
/sensors/HE13_F12: HE13.2 M6.22
/sensors/HE14_Del: HE14.2 M6.3
/sensors/HE15_Grave: HE15.2 M1.20
/sensors/HE16_1: HE16.2 M1.22
/sensors/HE17_2: HE17.2 M1.5
/sensors/HE18_3: HE18.2 M2.20
/sensors/HE19_4: HE19.2 M2.23
/sensors/HE20_5: HE20.2 M2.4
/sensors/HE21_6: HE21.2 M3.22
/sensors/HE22_7: HE22.2 M3.4
/sensors/HE23_8: HE23.2 M4.23
/sensors/HE24_9: HE24.2 M4.19
/sensors/HE25_0: HE25.2 M4.6
/sensors/HE26_Minus: HE26.2 M5.21
/sensors/HE27_Equals: HE27.2 M5.6
/sensors/HE28_Backspace: HE28.2 M6.21
/sensors/HE29_Home: HE29.2 M6.4
/sensors/HE30_Tab: HE30.2 M1.19
/sensors/HE31_Q: HE31.2 M1.23
/sensors/HE32_W: HE32.2 M1.3
/sensors/HE33_E: HE33.2 M2.22
/sensors/HE34_R: HE34.2 M2.3
/sensors/HE35_T: HE35.2 M3.23
/sensors/HE36_Y: HE36.2 M3.2
/sensors/HE37_U: HE37.2 M3.5
/sensors/HE38_I: HE38.2 M4.22
/sensors/HE39_O: HE39.2 M4.2
/sensors/HE40_P: HE40.2 M5.22
/sensors/HE41_LeftBracket: HE41.2 M5.2
/sensors/HE42_RightBracket: HE42.2 M5.7
/sensors/HE43_Backslash: HE43.2 M6.2
/sensors/HE44_PgUp: HE44.2 M6.5
/sensors/HE45_CapsLock: HE45.2 M1.18
/sensors/HE46_A: HE46.2 M1.7
/sensors/HE47_S: HE47.2 M2.18
/sensors/HE48_D: HE48.2 M2.8
/sensors/HE49_F: HE49.2 M2.6
/sensors/HE50_G: HE50.2 M3.17
/sensors/HE51_H: HE51.2 M3.9
/sensors/HE52_J: HE52.2 M4.20
/sensors/HE53_K: HE53.2 M4.16
/sensors/HE54_L: HE54.2 M5.20
/sensors/HE55_Semicolon: HE55.2 M5.17
/sensors/HE56_Quote: HE56.2 M6.23
/sensors/HE57_Enter: HE57.2 M6.20
/sensors/HE58_PgDn: HE58.2 M6.6
/sensors/HE59_ShiftL: HE59.2 M1.17
/sensors/HE60_Z: HE60.2 M1.9
/sensors/HE61_X: HE61.2 M2.16
/sensors/HE62_C: HE62.2 M2.9
/sensors/HE63_V: HE63.2 M2.7
/sensors/HE64_B: HE64.2 M3.19
/sensors/HE65_N: HE65.2 M3.7
/sensors/HE66_M: HE66.2 M4.18
/sensors/HE67_Comma: HE67.2 M4.8
/sensors/HE68_Period: HE68.2 M5.5
/sensors/HE69_Slash: HE69.2 M5.8
/sensors/HE70_ShiftR: HE70.2 M6.16
/sensors/HE71_ArrowUp: HE71.2 M6.8
/sensors/HE72_CtrlL: HE72.2 M1.16
/sensors/HE73_Win: HE73.2 M1.8
/sensors/HE74_AltL: HE74.2 M2.17
/sensors/HE75_Space: HE75.2 M3.18
/sensors/HE76_AltR: HE76.2 M5.9
/sensors/HE77_Fn: HE77.2 M6.18
/sensors/HE78_CtrlR: HE78.2 M6.17
/sensors/HE79_ArrowLeft: HE79.2 M6.19
/sensors/HE80_ArrowDown: HE80.2 M6.9
/sensors/HE81_ArrowRight: HE81.2 M6.7
/SWCLK: J2.3 J7.4 U3.76
/SWDIO: J2.2 J7.3 U3.72
/TFT_BL: J1.1 R9.2 U7.1
/TFT_BL_GATE: R11.1 U3.43
/TFT_CLK: J1.6 R6.2 U7.6
/TFT_CS: J1.8 U3.39 U7.8
/TFT_DC: J1.4 U3.40 U7.4
/TFT_MOSI: J1.5 R8.2 U7.5
/TFT_RES: J1.3 U3.38 U7.3
/UART_RX: J6.2 TP2.1 U3.69
/UART_TX: J6.1 TP1.1 U3.68
/ULPI_CLK: U3.29 U5.14
/ULPI_D0: U3.25 U5.24
/ULPI_D1: U3.34 U5.23
/ULPI_D2: U3.35 U5.22
/ULPI_D3: U3.46 U5.21
/ULPI_D4: U3.47 U5.20
/ULPI_D5: U3.51 U5.19
/ULPI_D6: U3.52 U5.18
/ULPI_D7: U3.91 U5.17
/ULPI_DIR: U3.17 U5.12
/ULPI_NXT: U3.18 U5.11
/ULPI_RST: R3.1 U5.9
/ULPI_STP: U3.15 U5.13
/WS2812_DIN: R15.1 U3.31
/WS2812_DOUT: J4.2 RING4.1
/XI: C4.2 U5.28 Y1.3
/XO: C5.2 U5.27 Y1.1
AMBIENT: AMB1.3 LED81.2
ENC_A: ENC1.B R26.2 U3.64
ENC_B: ENC1.A R27.2 U3.63
ENC_SW: ENC1.S2 R28.2 U3.67
RING: GLO3.2 RING1.3
STATUS: AMB10.2 GLO1.3
VREF+: C33.2 C34.2 C35.2 FB2.2 U3.20
Net-(AMB1-DOUT): AMB1.2 AMB2.3
Net-(AMB2-DOUT): AMB2.2 AMB3.3
Net-(AMB3-DOUT): AMB3.2 AMB4.3
Net-(AMB4-DOUT): AMB4.2 AMB5.3
Net-(AMB5-DOUT): AMB5.2 AMB6.3
Net-(AMB6-DOUT): AMB6.2 AMB7.3
Net-(AMB7-DOUT): AMB7.2 AMB8.3
Net-(AMB8-DOUT): AMB8.2 AMB9.3
Net-(AMB10-DIN): AMB9.2 AMB10.3
Net-(C25-Pad1): C25.1 U3.48
Net-(C26-Pad1): C26.1 U3.73
Net-(GLO1-DOUT): GLO1.2 GLO2.3
Net-(GLO2-DOUT): GLO2.2 GLO3.3
Net-(LED1-DOUT): LED1.2 LED2.3
Net-(LED2-DOUT): LED2.2 LED3.3
Net-(LED3-DOUT): LED3.2 LED4.3
Net-(LED4-DOUT): LED4.2 LED5.3
Net-(LED5-DOUT): LED5.2 LED6.3
